# KiCad board srvant.kicad_pcb (continued)
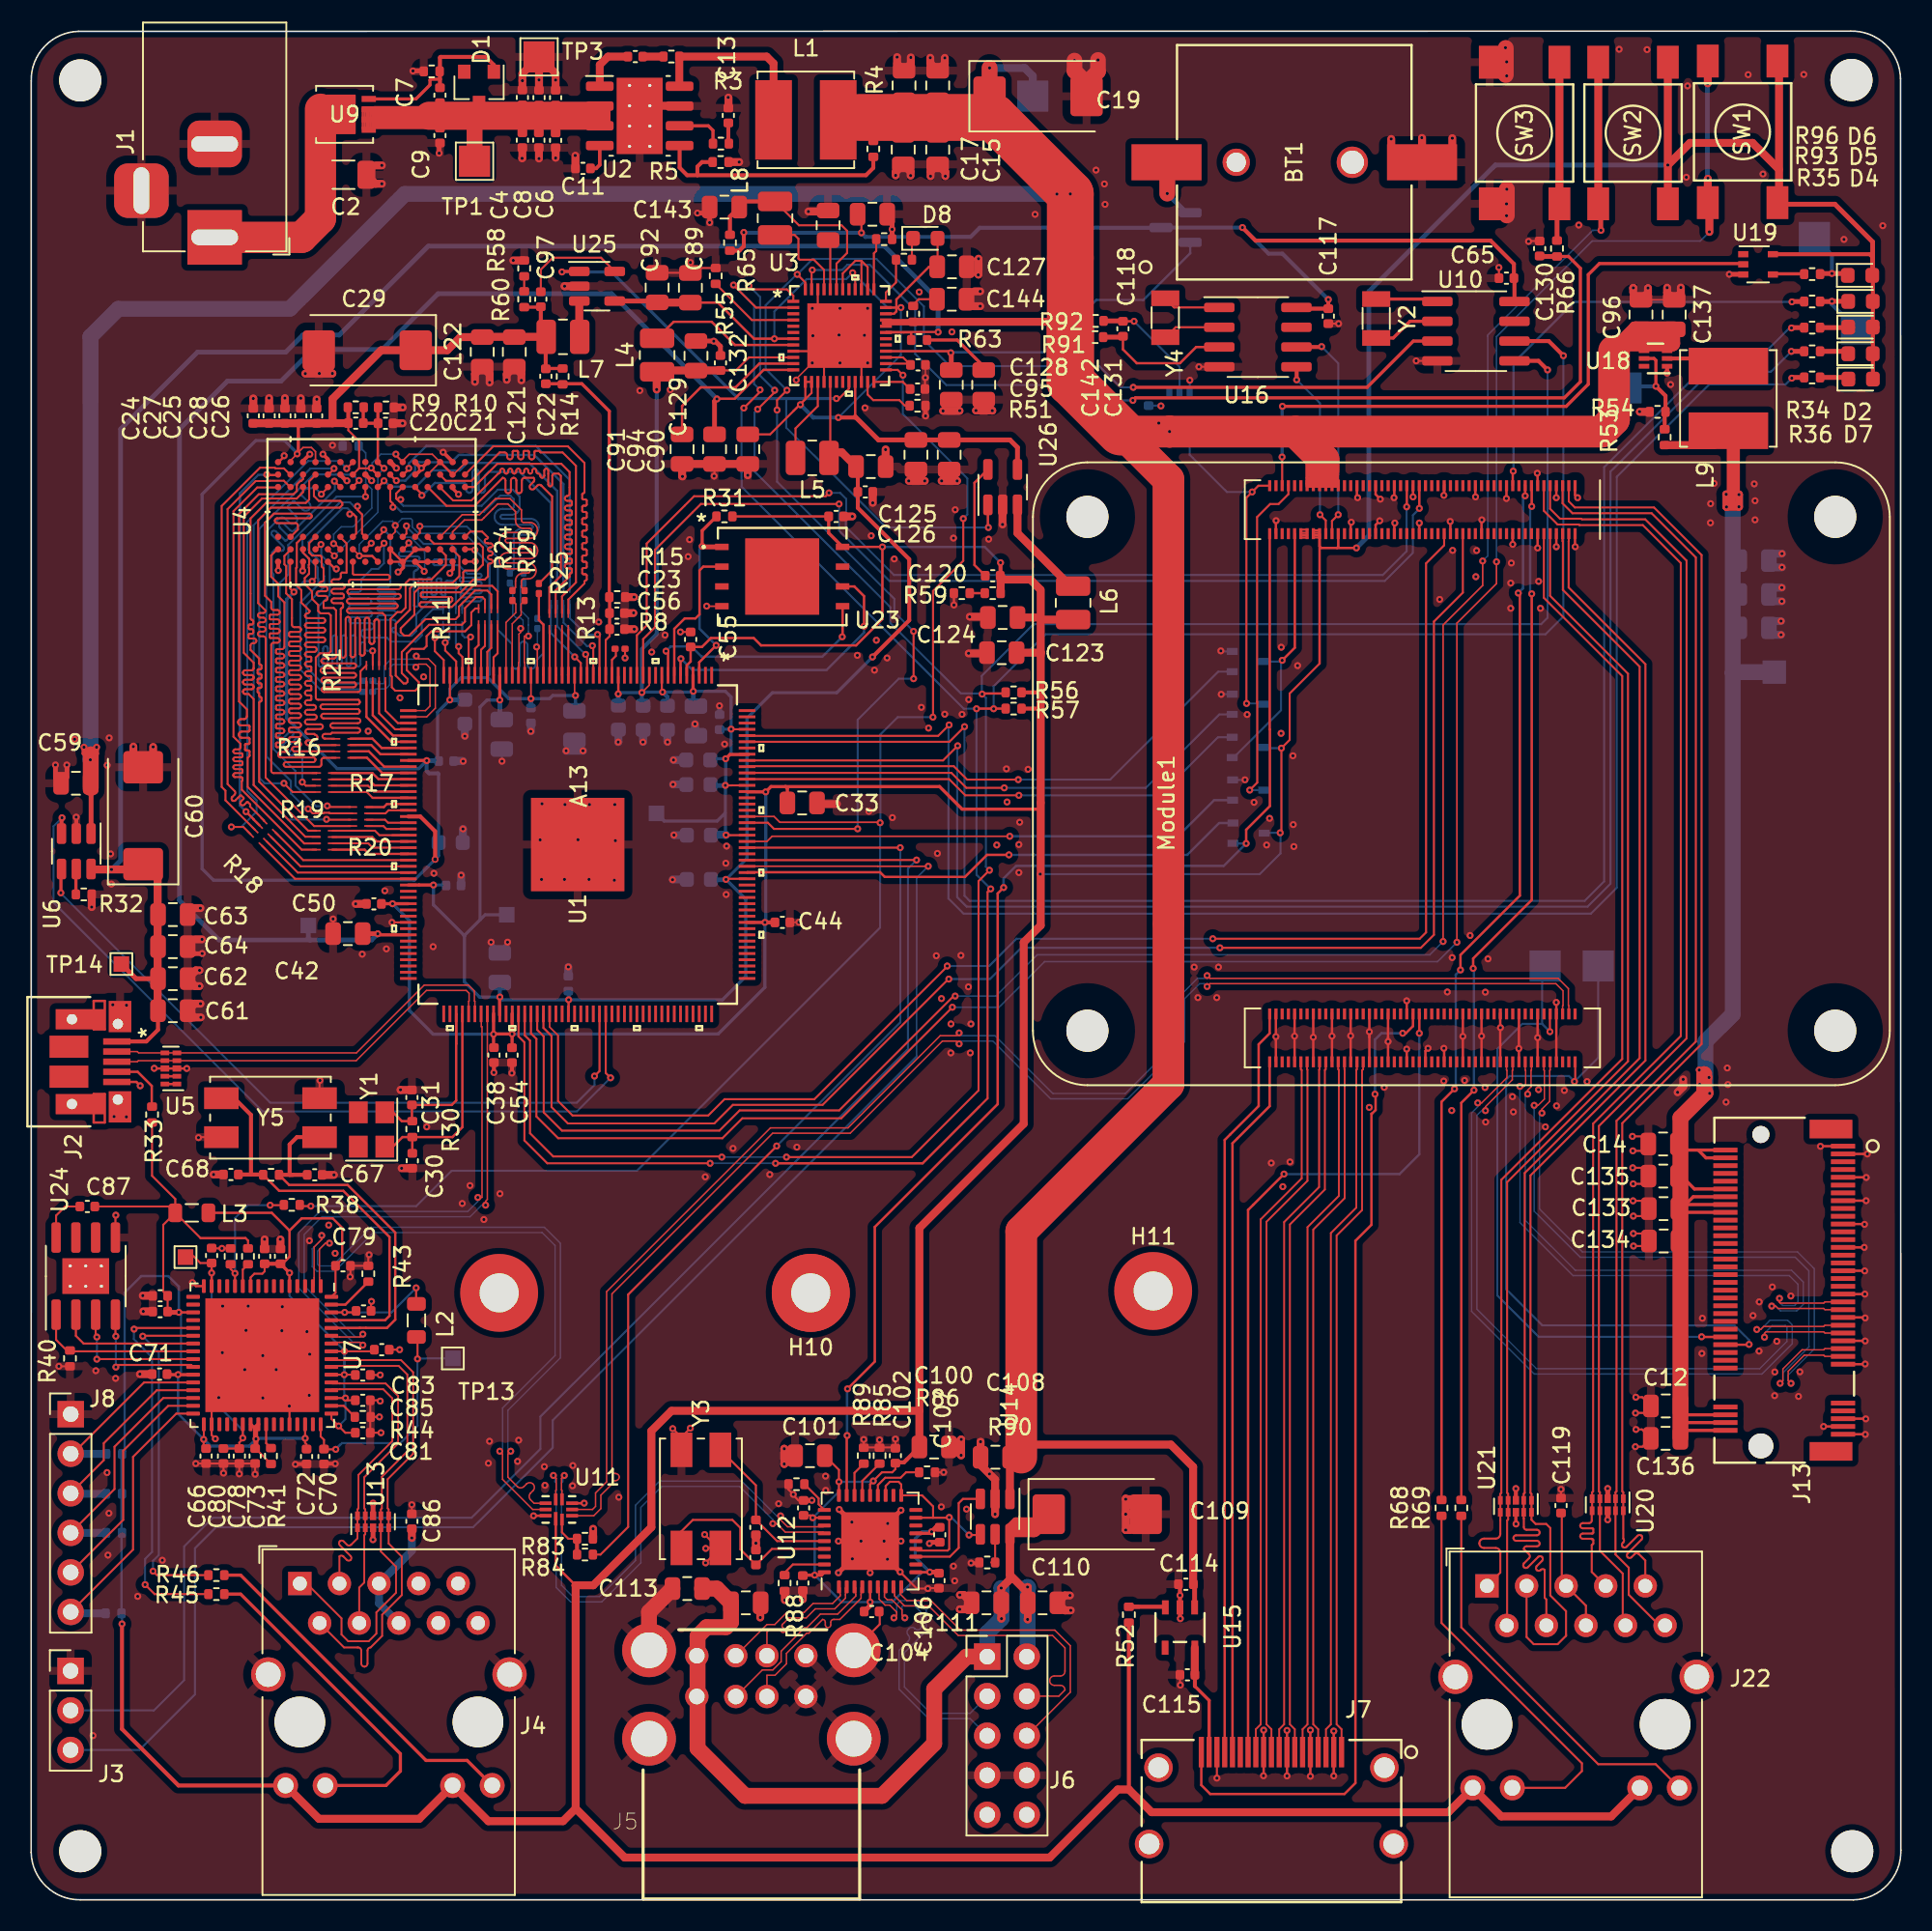
[diagram p0: board, top side]
## Routing (per net, layer and track width the routed paths; a pad name or vN(x,y) marks a point on that pad's centre or on a via; arc(x,y) is an arc through that point) (continued)
/a13 usb/ethernet/NLNKA_LED: length 25.2
  Top w0.13: v1(6.6,36.65) 6.68,36.73 U7.21 ; v1(7.32,20.24) 7.92,19.63 R45.2
  Bottom w0.13: v1(6.6,36.65) 6.59,36.64 6.59,36.01 7.76,34.84 7.76,22.34 7.32,21.89 v1(7.32,20.24)
/a13 usb/ethernet/NSPD_LED: length 22.6
  Top w0.13: v1(7.82,21.11) 8.08,20.85 R46.2 ; v1(7.16,36.2) 7.19,36.23 U7.22
  Bottom w0.13: v1(7.82,21.11) 7.82,21.77 8.19,22.14 8.19,35.17 v1(7.16,36.2)
/a13 usb/ethernet/nTRST: length 12
  Top w0.127: U7.28 7.25,33.23 2.67,28.65 J8.2
  Bottom w0.152: 2.55,28.64 J8.2
  Bottom w0.508: R47.1 2.55,28.64
/a13 usb/ethernet/PIN40/TEST3: length 3
  Top w0.152: U7.63 20.17,38.23 R43.2
/a13 usb/ethernet/RX_N: length 20.3
  Top w0.117: J4.4 21.06,20.05 21.38,20.38 21.38,23.42 21.45,23.48 U13.2 U13.9 21.45,25.08 21.38,25.14 21.38,27.14 23.55,29.31 23.55,32.36 22.75,33.16 19.81,33.16 19.81,33.16 19.33,33.16 U7.53
/a13 usb/ethernet/RX_P: length 19.7
  Top w0.117: U7.52 19.33,32.79 19.81,32.79 19.81,32.79 22.6,32.79 23.18,32.21 23.18,29.46 21.01,27.29 21.01,25.14 20.95,25.08 U13.10 U13.1 20.95,23.22 20.53,22.8 arc(20.41,22.75) 20.28,22.8 20.06,23.02 arc(19.93,23.08) 19.81,23.02 arc(19.76,22.9) 19.81,22.78 20.51,22.08 arc(20.56,21.96) 20.51,21.83 arc(20.38,21.78) 20.26,21.83 20.03,22.06 arc(19.91,22.11) 19.79,22.06 J4.3
/a13 usb/ethernet/TCK: length 18.9
  Top w0.127: J8.6 6.54,22.49 6.54,28.45 9.32,31.23 U7.32
  Bottom w0.152: 2.63,18.4 J8.6
  Bottom w0.508: R50.1 2.63,18.4
/a13 usb/ethernet/TDI: length 15.3
  Top w0.127: U7.30 8.48,32.23 5.35,29.1 5.35,26.38 J8.4
  Bottom w0.508: R49.1 J8.4
/a13 usb/ethernet/TDO: length 14.9
  Top w0.127: U7.31 8.8,31.73 5.91,28.84 5.91,24.4 J8.5
/a13 usb/ethernet/TMS: length 13.5
  Top w0.127: J8.3 4.66,28.23 4.66,29.32 8.06,32.73 U7.29
  Bottom w0.152: 2.57,26.08 J8.3
  Bottom w0.508: R48.1 2.57,26.08
/a13 usb/ethernet/TX_N: length 31.2
  Top w0.117: J4.2 20.08,16.21 20.99,16.21 arc(21.13,16.15) 21.19,16.01 21.19,15.17 arc(21.25,15.03) 21.39,14.97 arc(21.53,15.03) 21.59,15.17 21.59,16.01 arc(21.65,16.15) 21.79,16.21 22.53,16.95 22.53,18.31 23.79,19.57 23.79,22.04 22.95,22.88 U13.5 U13.6 22.95,25.08 22.88,25.14 22.88,27.01 24.52,28.65 24.52,33.88 23.74,34.66 19.81,34.66 19.81,34.66 19.33,34.66 U7.56
/a13 usb/ethernet/TX_P: length 30.7
  Top w0.117: U7.55 19.33,34.29 19.81,34.29 19.81,34.29 23.59,34.29 24.15,33.73 24.15,28.8 22.51,27.17 22.51,25.14 22.45,25.08 U13.7 U13.4 22.45,22.37 23.42,21.4 23.42,19.72 22.16,18.46 22.16,17.1 21.67,16.61 20.35,16.61 19.92,17.04 19.92,18.08 17.68,20.32 J4.1
/a13 usb/ethernet/USB2_N: length 42.9
  Top w0.09: U11.8 32.28,25.47 32.05,25.69 arc(31.97,25.91) 32.05,26.12 32.21,26.28 arc(32.3,26.49) 32.21,26.7 arc(32,26.79) 31.79,26.7 31.63,26.54 arc(31.42,26.45) 31.21,26.54 30.6,27.15 30.6,28.63 v1(30.78,28.81) ; U7.1 18.51,39.49 18.51,39.94 18.51,39.95 18.51,41.78 18.89,42.17 v1(19.15,42.17)
  Bottom w0.09: v1(30.78,28.81) 30.6,28.99 30.6,31.44 33.97,34.81 33.97,42.16 32.94,43.19 21.82,43.19 19.33,40.71 18.49,40.71 18.38,40.81 18.38,41.66 18.89,42.17 v1(19.15,42.17)
/a13 usb/ethernet/USB2_P: length 42.9
  Top w0.09: v1(18.65,42.67) 18.65,42.41 18.16,41.93 18.16,39.95 18.16,39.94 18.16,39.49 U7.2 ; U11.9 32.19,25.07 30.26,27.01 30.26,28.63 v1(30.08,28.81)
  Bottom w0.09: v1(18.65,42.67) 18.65,42.41 18.04,41.8 18.04,40.67 18.34,40.37 19.48,40.37 21.96,42.85 32.8,42.85 33.63,42.02 33.63,34.95 30.26,31.58 30.26,28.99 v1(30.08,28.81)
/a13 usb/ethernet/XI: length 26.4
  Top w0.152: U7.61 22.72,37.23 23,37.51 23,42.57 20.04,45.53 15.92,45.53 14.87,46.58
  Top w0.254: 14.11,46.58 14.11,50.41 13.04,51.48 Y5.3 ; 14.11,46.58 14.87,46.58 ; 14.11,46.58 C68.2
/a13 usb/ethernet/XO: length 25
  Top w0.152: R37.2 16.56,45.91 20.31,45.91 23.37,42.85 23.37,37.26 22.84,36.73 21.49,36.73 21.48,36.73 21.09,36.73 21.09,36.73 U7.60
  Top w0.254: 16.59,46.56 C67.2 ; 16.59,46.56 16.81,46.56 ; 16.59,46.56 R37.2 ; 16.59,46.56 16.59,48.51 17.06,48.98 Y5.1
/BMC PMU/+BATT: length 72.9
  Top w0.13: U3.39 53.29,105.26 ; 53.29,105.26 53.69,104.86 U3.38 ; 53.29,105.26 52.9,105.26 52.09,104.45 U3.42 ; v1(53.29,107.05) 53.29,108 C141.2 ; 81.17,102.28 81.2,102.28 U16.8 ; 95.21,104.1 C65.2
  Top w0.203: 81.29,102.18 81.2,102.28
  Top w0.254: U10.8 95.21,104.1 ; v1(45.74,107.08) 45.74,106.19 45.46,105.91 R65.2 ; v1(77.75,107.39) 78.59,106.55 93.68,106.55 95.17,105.05 C65.2 ; 81.29,102.18 C117.1 v1(83.26,102.77)
  Bottom w0.13: 45.77,107.05 v1(45.74,107.08) ; 72.51,107.38 D3.3
  Bottom w0.254: D3.3 v1(77.75,107.39) 79.43,105.71 80.31,105.71 v1(83.26,102.77) ; 72.51,107.38 60.89,107.38 60.3,106.79 53.56,106.79 v1(53.29,107.05) 45.77,107.05
/BMC PMU/CHGLED: length 2.9
  Top w0.13: U3.36 54.86,103.22 55.51,103.87 R64.1
/BMC PMU/EXTEN: length 43
  Top w0.13: 33.95,104.57 33.98,104.54 v1(34.07,104.54) ; U3.20 52.49,97.05 51.86,96.41 v1(51.69,96.41)
  Top w0.152: v1(61.44,88.13) 61.41,88.16 U26.1
  Top w0.203: 33.95,104.57 U25.1
  Bottom w0.13: 33.98,104.54 33.98,104.54 v1(34.07,104.54) ; 48.47,96.41 48.47,94.54 54.88,88.13 v1(61.44,88.13)
  Bottom w0.203: 33.98,104.54 37.26,104.54 45.39,96.41 v1(51.69,96.41)
/BMC PMU/IPSOUT: length 69.5
  Top w0.13: 48.94,95.62 47.43,94.11 C90.1 ; 48.94,95.62 49.38,96.05 ; 48.94,95.62 50.09,96.77 U3.14 U3.13 49.69,96.37 49.38,96.05 ; 49.38,96.05 v1(49.38,96.02) ; 40.2,102.57 C92.1 ; U3.40 52.89,104.32 v1(52.73,104.49) ; 52.9,95.25 52.9,95.32 52.89,95.33 ; 47.62,100.25 47.79,100.25 v1(47.71,100.25) ; D8.2 58.18,104.9 C127.2 ; 37.54,102.59 U25.4
  Top w0.147: 55.54,102.25 55.54,102.01 55.38,101.85 U3.34 ; 55.54,102.25 U3.35 ; 55.54,102.25 55.54,102.78 57.63,104.87 C127.2 ; 55.54,102.25 v1(55.83,102.25)
  Top w0.152: 44.12,102.53 46.4,100.25 v1(47.71,100.25) ; U3.7 47.79,100.25 ; 44.08,102.57 C89.2 ; U3.21 52.89,95.25
  Top w0.254: v1(51.81,95.19) 52.85,95.19 52.9,95.25
  Top w0.305: 52.89,95.25 54.38,93.75 C88.1 C93.1 62.83,93.75 63.31,93.27 U26.4 ; 37.54,102.59 37.63,102.67 40.1,102.67 C92.1
  Top w0.508: C89.2 40.2,102.57
  Bottom w0.13: v1(51.81,95.19) 55.83,99.2 v1(55.83,102.25) 54.96,102.25 v1(52.73,104.49) 52.32,104.08 49.78,104.08 47.71,102.01 v1(47.71,100.25)
  Bottom w0.254: v1(51.81,95.19) 50.2,95.19 v1(49.38,96.02)
/BMC PMU/NMI_N: length 99.1
  Top w0.127: v1(56.64,81.46) v1(56.64,78.42)
  Top w0.13: v1(47.88,95.67) 47.88,96.31 v1(48.51,96.94) ; U1.158 47.28,69.17 47.68,68.78 53.05,68.78 v1(53.05,68.78) ; U3.48 49.69,103.87 v1(49.17,104.39)
  Top w0.203: U10.3 88.72,100.1 85.75,97.13 v1(70.74,97.13)
  Bottom w0.13: v1(56.64,78.42) 55.69,78.42 53.05,75.78 v1(53.05,68.78) ; v1(47.88,95.67) 47.88,91.07 55.41,83.54 55.41,82.69 56.72,81.38 v1(56.64,81.46) ; v1(48.51,96.94) 47.14,98.32 47.14,102.39 49.14,104.39 v1(49.17,104.39) 50.17,105.38 54.25,105.38 57.3,102.33 57.3,100.17 58.98,98.49 68.56,98.49 69.92,97.13 v1(70.74,97.13)
/BMC PMU/PWRON: length 66.7
  Top w0.13: 96.85,105.54 C130.1 ; U3.47 50.09,104.62 v1(50.14,104.67)
  Top w0.203: R66.1 98.68,105.54 99.44,104.78 99.44,97.49 98.41,96.46 70.88,96.46 v1(70.71,96.29)
  Top w0.305: R66.1 96.85,105.54
  Bottom w0.13: v1(50.14,104.67) 52.06,104.67 52.39,105 53.83,105 56.74,102.09 56.74,99.28 58.75,97.27 68.31,97.27 69.29,96.29 v1(70.71,96.29)
/BMC PMU/TWI0-SCK: length 167.5
  Top w0.127: v1(43.58,47.3) 33.13,47.3 31.66,48.77 31.66,55.07
  Top w0.13: v1(45.74,95.8) 46.78,96.84 v1(46.78,96.97) ; U1.101 31.28,55.45 31.66,55.07 ; 60.84,50.92 61.39,51.47 61.39,64.72 v1(61.59,64.92) ; v1(60.68,76.49) 60.69,76.5 ; v1(45.08,103.7) 46.53,102.25 U3.2
  Top w0.147: 60.84,50.92 57.22,47.3 v1(47.78,47.3)
  Top w0.152: 60.69,76.5 R57.1
  Top w0.254: v1(98.35,99.16) 97.41,100.1 U10.6
  Bottom w0.102: v1(43.58,47.3) v1(47.78,47.3)
  Bottom w0.13: v1(61.59,64.92) 60.68,65.83 v1(60.68,76.49) 59.86,76.49 45.6,90.75 45.6,91.67 45.61,91.67 45.6,91.68 45.6,95.66 v1(45.74,95.8) ; v1(46.78,96.97) 46.4,97.35 46.4,102.38 v1(45.08,103.7) ; 63.25,79.41 61.78,77.94 v1(61.78,76.49) ; 63.25,79.41 63.19,79.35 ; 63.25,79.41 65.11,81.27 97.2,81.27 98.35,82.42 v1(98.35,99.16)
/BMC PMU/TWIO-SDA: length 161.6
  Top w0.127: v1(44.33,47.7) 44.29,47.74 33.51,47.74 32.02,49.23 32.02,55.18 ; 60.81,60.08 60.81,63.66 ; 60.81,60.08 60.81,51.98 56.53,47.7 v1(48.48,47.7) ; 60.81,60.08 60.81,60.16
  Top w0.13: v1(46.07,103.65) 46.3,103.42 48.51,103.42 48.92,103.01 U3.1 ; 32.02,55.18 31.68,55.52 U1.102 ; v1(61.51,66.12) 60.81,65.42 60.81,63.66 ; v1(46.63,95.72) 47.72,96.82 v1(47.72,96.94) ; 62.48,77.47 R56.2
  Top w0.152: 62.48,77.47 61.08,77.47 v1(61.04,77.43)
  Top w0.254: U10.5 96.75,98.83 v1(97.33,98.25)
  Bottom w0.102: v1(44.33,47.7) v1(48.48,47.7)
  Bottom w0.13: v1(61.04,77.43) 61.28,77.19 61.28,66.35 v1(61.51,66.12) ; v1(61.04,77.43) 61,77.47 59.68,77.47 55.15,82 55.15,83.01 46.44,91.72 46.44,95.53 v1(46.63,95.72) ; v1(61.04,77.43) 61.02,77.45 61.02,78.6 64.34,81.92 96.92,81.92 97.33,82.33 v1(97.33,98.25) ; v1(47.72,96.94) 46.78,97.88 46.78,102.94 v1(46.07,103.65)
/BMC power/SPI0_CLK: length 18.1
  Top w0.152: U1.6 41.68,79.68 v1(41.71,79.7) ; U23.6 52.83,84.35 53.46,83.72 v1(53.46,81.79)
  Bottom w0.152: v1(53.46,81.79) 53.46,81.38 51.06,78.98 42.43,78.98 v1(41.71,79.7)
/BMC power/SPI0_CSO: length 12.8
  Top w0.152: U1.3 42.88,79.47 v1(43.97,80.56)
  Top w0.203: R31.1 43.07,87.92 v1(43.07,86.92)
  Top w0.305: v1(43.07,86.92) 43.1,86.89 U23.1
  Bottom w0.152: v1(43.97,80.56) 42.9,81.63 42.9,86.75 v1(43.07,86.92)
/BMC power/SPI0_MISO: length 9.3
  Top w0.13: 42.6,82.29 42.64,82.29 ; U1.7 41.28,78.64
  Top w0.147: 42.6,82.29 41.95,82.29 41.28,81.62 41.28,78.64 ; 42.64,82.29 42.9,82.55
  Top w0.152: 42.9,82.55 42.9,85.37 43.14,85.62 44.34,85.62
/BMC power/SPI0_MOSI: length 15.8
  Top w0.152: v1(52.06,81.11) 52.08,81.13 52.08,83.08 ; v1(40.75,80.19) 40.88,80.06 U1.8
  Bottom w0.152: v1(40.75,80.19) 41.05,80.49 42.38,80.49 43.04,79.83 50.78,79.83 v1(52.06,81.11)
/BMC power/SVREF: length 21.9
  Top w0.13: U1.18 36.88,80.9 37.13,81.15 C56.2 ; 37.13,83.64 R15.1 37.1,83.65
  Top w0.203: C22.2 35.35,97.36 37.11,95.6 R15.1 ; C56.2 37.13,83.64
/BMC power/USB0_DRV: length 53.2
  Top w0.102: 1.93,69.49 v1(1.98,69.49)
  Top w0.13: U1.115 36.88,53.1 v1(37.19,52.79)
  Top w0.254: 1.93,69.49 1.95,69.47 U6.3
  Bottom w0.13: v1(1.98,69.49) 1.43,68.94 1.43,64.05 14.85,50.63 35.03,50.63 v1(37.19,52.79)
/BMC power/USB0_nFAULT: length 46.9
  Top w0.102: 1.95,64.71 v1(1.91,64.67)
  Top w0.13: v1(36.16,52.9) 36.48,53.22 U1.114
  Top w0.152: U6.4 1.94,66.19 1.93,66.19 ; 1.91,64.59 1.91,64.67 1.95,64.71
  Top w0.203: 1.91,64.59 1.91,66.17 1.93,66.19
  Bottom w0.13: v1(36.16,52.9) 36.16,52.33 35.02,51.19 15.35,51.19 1.91,64.63 v1(1.91,64.67)
/BMC power/USB_IDDET: length 3.9
  Top w0.152: 7.74,50.97 7.74,52.27 6.84,53.17 J2.4
/BMC power/USB_OTG_N: length 26.4
  Top w0.09: J2.2 6.81,54.47 6.9,54.39 U5.6 U5.5 20.88,54.39 25.23,58.74 28.07,58.74 28.45,58.36 28.45,57.73 28.48,57.7 U1.94
/BMC power/USB_OTG_P: length 25.9
  Top w0.09: J2.3 6.81,53.82 6.88,53.89 U5.7 U5.4 20.86,53.89 25.37,58.4 27.93,58.4 28.11,58.22 28.11,57.73 28.08,57.7 U1.93
/cm4/CM4_GPIO ( Ethernet, GPIO, SDCARD)/ETH_LEDG: length 67.5
  Top w0.152: v1(91.74,59.72) 91.74,60.68 95.55,64.49 95.55,83.82 v1(95.45,83.92) ; v1(95.9,90.16) 95.9,90.86 ; R68.2 90.53,51.25 v1(91.36,52.08)
  Bottom w0.152: v1(91.36,52.08) 91.44,52.16 91.44,59.41 v1(91.74,59.72) ; v1(95.45,83.92) 95.76,84.23 95.76,90.03 v1(95.9,90.16)
/cm4/CM4_GPIO ( Ethernet, GPIO, SDCARD)/ETH_LEDY: length 67.2
  Top w0.152: v1(92.56,59.82) 92.56,60.45 96.32,64.21 v1(96.32,83.87) ; 96.3,90.86 96.32,90.84 v1(96.32,89.48) ; R69.2 91.8,51.18 v1(92.61,51.99)
  Bottom w0.152: v1(92.61,51.99) 92.61,59.77 v1(92.56,59.82) ; v1(96.32,83.87) 96.22,83.97 96.22,89.38 v1(96.32,89.48)
/cm4/CM4_GPIO ( Ethernet, GPIO, SDCARD)/nPWR_LED: length 42.6
  Top w0.13: 80.3,90.86 80.3,90.87 80.3,92.65 v1(80.29,92.66) ; 109.84,105.08 U19.2
  Top w0.203: 109.84,105.08 100.66,105.08 99.95,104.37 99.95,97.33 98.53,95.91 v1(80.31,95.91)
  Bottom w0.13: 80.29,95.89 v1(80.31,95.91)
  Bottom w0.203: v1(80.29,92.66) 80.29,95.89
/cm4/CM4_GPIO ( Ethernet, GPIO, SDCARD)/SCL0: length 14.4
  Top w0.13: 83.5,87.78 83.5,88.55 v1(83.9,88.95) ; v1(82.83,99.75) 82.87,99.79 82.92,99.79
  Top w0.203: 82.92,99.79 82.85,99.72
  Top w0.254: 82.85,99.72 U16.6
  Bottom w0.13: v1(82.83,99.75) 83.9,98.68 v1(83.9,88.95)
/cm4/CM4_GPIO ( Ethernet, GPIO, SDCARD)/SDA0: length 11.4
  Top w0.13: 81.23,98.44 U16.5 ; v1(82.73,88.95) 83.1,88.58 83.1,87.78
  Top w0.254: v1(81.23,97.61) 81.23,98.44
  Bottom w0.13: v1(81.23,97.61) 82.73,96.11 v1(82.73,88.95)
/cm4/CM4_GPIO ( Ethernet, GPIO, SDCARD)/TRD0_N: length 75.8
  Top w0.127: U21.7 94.8,24.42 94.74,24.36 94.74,17.64 94.72,17.62 94.8,17.71 ; U21.7 94.76,24.93 94.76,25.08 ; U21.7 U21.4 94.8,26.07 94.74,26.14 94.74,46.09 102.5,53.85 102.5,78.74 97.5,83.74 97.5,87.78
/cm4/CM4_GPIO ( Ethernet, GPIO, SDCARD)/TRD0_P: length 76.1
  Top w0.127: 97.1,87.78 97.1,83.62 102.13,78.59 102.13,54 94.37,46.24 94.37,26.14 94.3,26.07 U21.5 U21.6 94.3,24.37 ; 93,19.71 J22.1 94.3,21.02 94.3,22.3 arc(94.21,22.51) 94,22.6 93.26,22.6 arc(93.04,22.69) 92.96,22.9 arc(93.04,23.11) 93.26,23.2 94,23.2 arc(94.21,23.29) 94.3,23.5 94.3,24.37
/cm4/CM4_GPIO ( Ethernet, GPIO, SDCARD)/TRD1_N: length 83.4
  Top w0.127: 98.3,87.78 98.3,87.26 98.32,87.24 98.32,84.12 103.24,79.2 103.24,54.05 95.87,46.67 95.87,26.14 95.8,26.07 U21.2 U21.9 95.8,24.5 95.81,24.49 95.81,23.94 arc(95.86,23.82) 95.99,23.77 96.65,23.77 arc(96.77,23.71) 96.83,23.59 arc(96.77,23.46) 96.65,23.41 95.32,23.41 arc(95.19,23.36) 95.14,23.24 arc(95.19,23.11) 95.32,23.06 96.65,23.06 arc(96.77,23.01) 96.83,22.88 arc(96.77,22.76) 96.65,22.71 95.99,22.71 arc(95.86,22.65) 95.81,22.53 96.15,22.19 arc(96.2,22.07) 96.15,21.94 95.82,21.61 arc(95.77,21.49) 95.82,21.36 arc(95.95,21.31) 96.07,21.36 96.73,22.02 arc(96.85,22.07) 96.98,22.02 arc(97.03,21.9) 96.98,21.77 96.64,21.43 arc(96.59,21.31) 96.64,21.18 arc(96.76,21.13) 96.89,21.18 96.9,21.19 arc(97.02,21.24) 97.15,21.19 97.15,19.4 97.26,19.29 J22.4 97.22,17.66
/cm4/CM4_GPIO ( Ethernet, GPIO, SDCARD)/TRD1_P: length 83.6
  Top w0.127: 98.52,16.96 98.52,17.05 ; 98.52,16.96 97.98,16.42 96.44,16.42 95.99,16.88 J22.3 ; 98.52,16.96 98.52,18.54 97.51,19.55 97.51,23.88 97.25,24.14 96.57,24.14 96.3,24.41 U21.10 U21.1 96.3,26.07 96.24,26.14 96.24,46.52 103.61,53.9 103.61,79.35 98.69,84.28 98.69,87.25 98.7,87.26 98.7,87.78
/cm4/CM4_GPIO ( Ethernet, GPIO, SDCARD)/TRD2_N: length 83.1
  Top w0.127: J22.8 102.16,17.8 102.16,20.95 100.69,22.42 U20.7 U20.4 100.69,26.17 100.63,26.24 100.63,49.69 106.26,55.32 106.26,86 103.6,88.65 99.54,88.65 99.5,88.69 98.13,88.69 97.5,89.33 97.5,90.86
/cm4/CM4_GPIO ( Ethernet, GPIO, SDCARD)/TRD2_P: length 83.2
  Top w0.127: 97.1,90.86 97.1,89.21 97.98,88.32 99.35,88.32 99.38,88.29 99.38,88.28 103.45,88.28 105.89,85.85 105.89,55.47 100.26,49.85 100.26,26.24 100.19,26.17 U20.5 U20.6 100.17,24.97 100.17,24.36 arc(100.12,24.24) 100,24.19 99.6,24.19 arc(99.48,24.14) 99.43,24.03 arc(99.48,23.91) 99.6,23.86 100.22,23.86 arc(100.25,23.84) 100.27,23.81 100.27,23.57 arc(100.25,23.54) 100.22,23.52 99.6,23.52 arc(99.48,23.48) 99.43,23.36 arc(99.48,23.24) 99.6,23.19 100.17,23.19 100.17,23.16 100.22,23.16 arc(100.25,23.15) 100.27,23.11 100.27,22.88 arc(100.25,22.84) 100.22,22.83 arc(100.18,22.82) 100.17,22.78 100.17,21.06 J22.7
/cm4/CM4_GPIO ( Ethernet, GPIO, SDCARD)/TRD3_N: length 83.5
  Top w0.127: 98.3,90.86 98.3,89.68 98.93,89.05 104.01,89.05 106.85,86.21 106.85,55.12 101.76,50.03 101.76,26.24 101.69,26.17 U20.2 U20.9 101.69,22.18 102.55,21.33 102.55,19.59 104.52,17.62 J22.10 104.83,17.62
/cm4/CM4_GPIO ( Ethernet, GPIO, SDCARD)/TRD3_P: length 83.4
  Top w0.127: J22.9 103.61,21.79 103.18,22.22 arc(103.06,22.27) 102.94,22.22 102.72,22 arc(102.6,21.95) 102.47,22 arc(102.42,22.13) 102.47,22.25 103.36,23.14 arc(103.41,23.26) 103.36,23.39 arc(103.24,23.44) 103.12,23.39 102.4,22.67 arc(102.28,22.62) 102.16,22.67 arc(102.1,22.8) 102.16,22.92 102.19,22.96 arc(102.24,23.08) 102.19,23.21 U20.10 U20.1 102.19,26.17 102.13,26.24 102.13,49.87 107.22,54.97 107.22,86.36 104.17,89.42 99.09,89.42 98.7,89.81 98.7,90.86
/cm4/CM4_HighSpeed/HDMI0_CEC: length 56.4
  Top w0.152: v1(89.1,55.65) 89.1,56.94 89.1,56.94 ; v1(80.42,46.61) 78.11,44.3 J7.13
  Bottom w0.152: v1(89.1,55.65) 89.1,47.88 87.83,46.61 v1(80.42,46.61)
/cm4/CM4_HighSpeed/HDMI0_CK_N: length 45.6
  Top w0.117: J7.12 78.61,10.96 78.92,11.27 78.92,43.7 81.55,46.33 81.55,53.28 81.5,53.34 81.5,53.86
/cm4/CM4_HighSpeed/HDMI0_CK_P: length 45.6
  Top w0.117: 81.9,53.86 81.9,53.34 81.92,53.31 81.92,46.18 79.29,43.55 79.29,11.27 79.61,10.96 J7.10
/cm4/CM4_HighSpeed/HDMI0_D0_N: length 45.4
  Top w0.117: J7.9 80.11,10.96 80.42,11.27 80.42,43.53 82.67,45.77 82.67,53.31 82.7,53.34 82.7,53.86
/cm4/CM4_HighSpeed/HDMI0_D0_P: length 45.5
  Top w0.117: J7.7 81.11,10.96 80.79,11.27 80.79,43.37 83.04,45.62 83.04,53.28 83.1,53.34 83.1,53.86
/cm4/CM4_HighSpeed/HDMI0_D1_N: length 45.4
  Top w0.117: 83.9,53.86 83.9,53.34 83.94,53.3 83.94,45.21 81.92,43.2 81.92,11.27 81.61,10.96 J7.6
/cm4/CM4_HighSpeed/HDMI0_D1_P: length 45.3
  Top w0.117: J7.4 82.61,10.96 82.29,11.27 82.29,43.04 84.31,45.06 84.31,53.33 84.3,53.34 84.3,53.86
/cm4/CM4_HighSpeed/HDMI0_D2_N: length 45.2
  Top w0.117: 85.1,53.86 85.1,53.34 85.06,53.3 85.06,44.45 83.42,42.82 83.42,11.27 83.11,10.96 J7.3
/cm4/CM4_HighSpeed/HDMI0_D2_P: length 45.2
  Top w0.117: J7.1 84.11,10.96 83.79,11.27 83.79,42.66 85.43,44.3 85.43,53.27 85.5,53.34 85.5,53.86
/cm4/CM4_HighSpeed/HDMI0_HOTPLUG: length 64.5
  Top w0.152: v1(88.04,55.65) 88.24,55.65 88.7,56.11 88.7,56.94 ; J7.19 75.11,7.37 75.68,6.8 84.3,6.8 85,7.5 85,42.32 86.03,43.35 86.03,50.48 86.06,50.48 86.3,50.72 86.3,51.7 v1(86.26,51.74) 86.23,51.71
  Bottom w0.152: v1(88.04,55.65) 86.66,55.65 86.26,55.25 v1(86.26,51.74)
/cm4/CM4_HighSpeed/HDMI0_SCL: length 45.4
  Top w0.152: J7.15 77.11,48.59 79.5,50.97 79.5,53.86
/cm4/CM4_HighSpeed/HDMI0_SDA: length 48.7
  Top w0.152: 79.5,56.94 79.5,55.65 78.79,54.94 78.79,50.98 76.61,48.8 J7.16
/cm4/CM4_HighSpeed/HDMI_5v: length 7.1
  Top w0.203: 74.7,13.72 75.61,12.81 J7.18
  Top w0.254: C115.1 74.7,13.72
  Top w0.508: U15.5 74.69,14.46 C115.1
/cm4/CM4_HighSpeed/nRTC_INT: length 9.1
  Top w0.152: C118.2 70.08,99.57 70.97,98.68 73.74,98.68 74.78,99.72 U16.3
  Top w0.305: 68.84,100.36 70.1,100.36
/cm4/CM4_HighSpeed/PCIE_CLK_N: length 42.6
  Top w0.09: v1(112.26,33.17) 112.44,33.35 112.44,34.09 113.67,35.32 115.06,35.32 115.14,35.4 J13.53 ; v1(96.48,51.02) 96.73,51.02 97.13,51.42 97.13,53.26 97.1,53.29 Module1.112
  Bottom w0.09: v1(96.48,51.02) 96.48,50.77 96.47,50.77 96.47,50.29 96.48,50.29 96.48,44.22 99.43,41.27 113.23,41.27 114.11,40.39 114.11,35.51 112.44,33.84 112.44,33.35 v1(112.26,33.17)
/cm4/CM4_HighSpeed/PCIE_CLK_P: length 41.9
  Top w0.09: J13.55 115.14,34.9 115.06,34.98 113.81,34.98 112.78,33.95 112.78,33.35 v1(112.96,33.17) ; v1(96.97,50.53) 96.97,50.78 97.47,51.28 97.47,53.26 97.5,53.29 Module1.110
  Bottom w0.09: v1(96.97,50.53) 96.82,50.38 96.82,44.36 99.57,41.61 113.37,41.61 114.45,40.53 114.45,35.37 112.78,33.7 112.78,33.35 v1(112.96,33.17)
/cm4/CM4_HighSpeed/PCIE_RX_N: length 37.3
  Top w0.09: Module1.118 95.9,53.29 95.93,53.26 95.93,52.36 95.81,52.24 v1(95.56,52.24) ; v1(112.22,38.63) 112.22,38.38 112.27,38.32 115.06,38.32 115.14,38.4 J13.41
  Bottom w0.09: v1(112.22,38.63) 112.22,38.38 112.42,38.17 113.2,38.17 113.41,38.38 113.41,39.53 112.85,40.09 98.97,40.09 95.56,43.5 95.56,51.51 95.56,51.51 95.56,51.99 95.56,51.99 v1(95.56,52.24)
/cm4/CM4_HighSpeed/PCIE_RX_P: length 38.3
  Top w0.09: Module1.116 96.3,53.29 96.27,53.26 96.27,52.21 96.06,52 v1(96.06,51.75) ; J13.43 115.14,37.9 115.06,37.98 112.13,37.98 111.97,38.13 v1(111.72,38.13)
  Bottom w0.09: v1(111.72,38.13) 111.97,38.13 112.28,37.83 113.34,37.83 113.75,38.24 113.75,39.67 112.99,40.43 99.11,40.43 95.9,43.64 95.9,51.59 v1(96.06,51.75)
/cm4/CM4_HighSpeed/PCIE_TX_N: length 49.7
  Top w0.09: Module1.124 94.7,53.29 94.73,53.26 94.73,52.8 93.1,51.18 v1(92.85,51.18) ; J13.47 115.14,36.9 115.06,36.82 111.21,36.82 111.01,36.63 v1(110.76,36.63)
  Bottom w0.09: v1(110.76,36.63) 111.01,36.63 111.61,37.22 112.74,37.22 113.04,36.92 113.04,35.72 111.09,33.77 96.48,33.77 92.46,37.79 92.46,50.53 92.85,50.93 v1(92.85,51.18)
/cm4/CM4_HighSpeed/PCIE_TX_P: length 47.4
  Top w0.09: Module1.122 95.1,53.29 95.07,53.26 95.07,52.66 93.35,50.93 v1(93.35,50.68) ; J13.49 115.14,36.4 115.06,36.48 111.35,36.48 111.26,36.38 v1(111.26,36.13)
  Bottom w0.09: v1(111.26,36.13) 111.26,36.38 111.75,36.88 112.6,36.88 112.7,36.78 112.7,35.86 110.95,34.11 96.62,34.11 92.8,37.93 92.8,50.39 93.09,50.68 v1(93.35,50.68)
/cm4/CM4_HighSpeed/USB2_N: length 92.6
  Top w0.09: v1(59.56,55.67) 59.38,55.49 58.35,55.49 52.43,49.57 47.45,49.57 36.94,39.06 36.94,26.84 36.23,26.13 36.23,25.27 36.03,25.07 U11.4 ; v1(75.48,59.35) 75.66,59.18 98.01,59.18 98.67,58.52 98.67,57.45 98.7,57.42 Module1.103
  Bottom w0.09: v1(59.56,55.67) 59.74,55.49 61.87,55.49 65.58,51.78 70.24,51.78 73.69,55.24 73.69,58.01 74.86,59.18 75.3,59.18 v1(75.48,59.35)
/cm4/CM4_HighSpeed/USB2_P: length 92.6
  Top w0.09: v1(75.48,58.65) 75.66,58.83 97.87,58.83 98.33,58.38 98.33,57.45 98.3,57.42 Module1.105 ; v1(59.56,54.97) 59.38,55.15 58.49,55.15 52.57,49.23 47.59,49.23 37.28,38.92 37.28,27.6 arc(37.35,27.44) 37.51,27.38 37.52,27.38 arc(37.68,27.31) 37.75,27.15 arc(37.68,26.99) 37.52,26.93 37.51,26.93 arc(37.35,26.86) 37.28,26.7 36.57,25.99 36.57,25.13 36.11,24.67 U11.3
  Bottom w0.09: v1(75.48,58.65) 75.3,58.83 75,58.83 74.03,57.87 74.03,55.1 70.38,51.44 65.44,51.44 61.73,55.15 59.74,55.15 v1(59.56,54.97)
/cm4/PCIe-connector/PCIe_nCLKREQ: length 46.3
  Top w0.13: 99.1,53.86 99.11,53.85 99.11,52.6 v1(99.06,52.55) ; 110.25,35.65 v1(110.27,35.67)
  Top w0.152: J13.52 110.25,35.65
  Bottom w0.13: v1(99.06,52.55) 100.58,54.08 TP9.1 ; v1(99.06,52.55) 98.7,52.91 94.9,52.91 94.67,52.68 94.67,39.22 97,36.89 109.33,36.89 110.27,35.95 v1(110.27,35.67) ; v1(99.06,52.55) 99.01,52.5
/cm4/PCIe-connector/PCIe_nRST: length 41.5
  Top w0.13: v1(97.49,55.75) 97.49,56.93 97.5,56.94 ; 107.23,36.15 v1(107.22,36.16)
  Top w0.152: J13.50 107.23,36.15
  Bottom w0.13: v1(107.22,36.16) 96.76,36.16 94.11,38.81 94.11,54.65 95.72,56.26 96.98,56.26 v1(97.49,55.75) 96.99,56.25 96.99,59.78 TP10.1
/cm4/USB2-HUB/HD1_N: length 8.9
  Top w0.09: U12.1 51.93,20.02 51.93,19.59 51.93,19.52 51.44,19.03 50.19,19.03 49.61,18.45 48.5,18.45 47.73,17.68 47.23,17.68 J5.2
/cm4/USB2-HUB/HD1_P: length 8.9
  Top w0.09: U12.2 52.27,20.02 52.27,19.59 52.27,19.38 51.58,18.69 50.33,18.69 49.75,18.11 48.64,18.11 48.22,17.69 arc(48.19,17.6) 48.22,17.52 48.36,17.38 arc(48.39,17.29) 48.36,17.21 arc(48.27,17.17) 48.18,17.21 48.05,17.34 arc(47.96,17.38) 47.87,17.34 47.37,17.34 47.23,17.19 J5.3
/cm4/USB2-HUB/HD2_N: length 11.4
  Top w0.09: J5.6 46.94,14.77 47.61,14.77 48.14,15.3 48.14,15.97 49.64,17.47 49.78,17.47 50.66,18.35 51.77,18.35 52.93,19.51 52.93,19.59 52.93,20.02 U12.3
/cm4/USB2-HUB/HD2_P: length 11.4
  Top w0.09: U12.4 53.27,20.02 53.27,19.59 53.27,19.37 51.91,18.01 51.5,18.01 arc(51.38,17.96) 51.33,17.83 51.33,17.66 arc(51.27,17.54) 51.15,17.48 arc(51.03,17.54) 50.98,17.66 50.98,17.83 arc(50.92,17.96) 50.8,18.01 49.92,17.13 49.78,17.13 48.48,15.83 48.48,15.16 47.75,14.42 47.23,14.42 J5.7
/cm4/USB2-HUB/HD3_N: length 17.9
  Top w0.09: U12.6 54.43,20.02 54.43,19.59 54.43,19.31 54.81,18.93 55.11,18.93 55.56,18.48 55.56,18.29 v1(55.38,18.11)
  Bottom w0.09: J6.3 60.27,11.98 57.74,11.98 56.05,13.67 56.05,15.88 57.45,17.28 57.45,18.62 56.85,19.22 55.81,19.22 55.56,18.97 55.56,18.29 v1(55.38,18.11)
/cm4/USB2-HUB/HD3_P: length 18
  Top w0.09: v1(56.08,18.11) 55.9,18.29 55.9,18.62 55.25,19.27 54.95,19.27 54.77,19.45 54.77,19.59 54.77,20.02 U12.7
  Bottom w0.09: J6.5 60.27,11.64 57.6,11.64 55.71,13.53 55.71,16.02 56.3,16.61 arc(56.38,16.81) 56.3,17 arc(56.22,17.19) 56.3,17.38 56.34,17.42 arc(56.53,17.5) 56.73,17.42 arc(56.92,17.34) 57.11,17.42 57.11,18.48 56.71,18.88 55.95,18.88 55.9,18.83 55.9,18.29 v1(56.08,18.11)
/cm4/USB2-HUB/HD4_N: length 19.7
  Top w0.09: J6.4 65.96,13.08 66.36,13.48 arc(66.27,13.69) 66.06,13.78 65.67,13.78 arc(65.46,13.87) 65.37,14.08 arc(65.46,14.29) 65.67,14.38 66.06,14.38 arc(66.27,14.47) 66.36,14.68 66.36,16.18 65.56,16.98 59.51,16.98 57.61,18.88 56.06,18.88 55.43,19.51 55.43,19.59 55.43,20.02 U12.8
/cm4/USB2-HUB/HD4_P: length 19.7
  Top w0.09: J6.6 66.7,13.34 66.7,16.32 65.7,17.32 59.65,17.32 57.75,19.22 56.2,19.22 55.77,19.65 55.77,20.02 U12.9
/cm4/USB2-HUB/nOCS1: length 14.5
  Top w0.13: U12.13 56.89,22.43 58.83,22.43 58.93,22.53 v1(58.93,24.56) ; 57.89,24.54 57.89,25.27 57.18,25.98 U12.19 55.85,26.68 55.68,26.85 55.12,26.85 54.85,26.58 U12.21 ; 57.89,24.54 U12.17 ; 57.89,24.54 58.9,24.54 v1(58.93,24.56) ; 58.91,24.56 v1(58.93,24.56) ; U14.4 60.88,23.43 v1(60.2,23.43)
  Bottom w0.13: v1(60.2,23.43) 59.07,24.56 v1(58.93,24.56)
/cm4/USB2-HUB/PWR1: length 7.4
  Top w0.13: U14.3 59.81,25.75 59.54,25.48 59.54,22.61 58.97,22.04 U12.12
/cm4/USB2-HUB/USBH_N: length 32.5
  Top w0.09: v1(34.22,27.25) 34.04,27.08 34.04,26.32 34.07,26.29 U11.6 ; v1(48.1,24.66) 48.1,24.4 48.55,23.96 50.83,23.96 U12.30
  Bottom w0.09: v1(48.1,24.66) 47.85,24.66 45.61,26.89 40.34,26.89 38.79,25.34 38.79,21.79 36.48,19.48 34.77,19.48 34.04,20.2 34.04,26.77 34.12,26.85 34.12,27.14 34.11,27.15 v1(34.22,27.25)
/cm4/USB2-HUB/USBH_P: length 33
  Top w0.09: v1(33.52,27.25) 33.7,27.08 33.7,26.32 33.67,26.29 U11.7 ; v1(47.61,24.16) 47.86,24.16 48.41,23.62 50.83,23.62 U12.31
  Bottom w0.09: v1(47.61,24.16) 47.61,24.41 45.47,26.55 40.48,26.55 39.14,25.2 39.14,21.65 36.62,19.13 34.63,19.13 33.7,20.06 33.7,26.77 33.62,26.85 33.62,27.14 33.63,27.15 v1(33.52,27.25)
/cm4/USB2-HUB/XTALIN: length 13
  Top w0.13: Y3.1 41.74,23.67 42.47,24.4 45.01,24.4 45.52,23.89 45.52,22.51 C98.1 47.55,22.54 U12.33
/cm4/USB2-HUB/XTALOUT: length 10.4
  Top w0.13: U12.32 47.88,23.04 C99.1 46.52,26.62 Y3.3
/nRESET: length 95.5
  Top w0.102: v1(54.49,69.17) 54.46,69.2 48.05,69.2 47.68,69.57 U1.159
  Top w0.13: U3.25 55.62,98.25 v1(55.96,97.91) ; v1(57.88,75.95) 57.89,75.96 57.89,84.05 59.83,85.99 v1(59.83,88.7) ; R38.2 17.32,44.55 v1(17.95,44.55)
  Bottom w0.13: v1(59.83,88.7) 60.09,88.96 60.09,91.28 55.96,95.42 v1(55.96,97.91) ; v1(17.95,44.55) 24.72,44.55 26.99,46.82 38.88,46.82 54.49,62.43 v1(54.49,69.17) 54.51,69.19 54.51,74.84 55.62,75.95 v1(57.88,75.95)
Net-(BT1-Pad1): length 4.3
  Top w0.13: v1(72.92,109.58) 72.88,109.62
  Top w0.305: 72.92,111.54 BT1.1
  Top w1.016: v1(72.92,109.58) 72.92,111.54
  Bottom w0.13: 74.44,108.31 74.46,108.29 74.46,108.15
  Bottom w0.203: 74.19,108.31 74.44,108.31
  Bottom w0.305: v1(72.92,109.58) 74.19,108.31
Net-(C2-Pad1): length 14.3
  Top w2: U9.6 18.57,107.97 17.36,106.76 J1.1
Net-(C7-Pad1): length 11.3
  Top w0.203: U9.4 24.7,115.65 25.6,116.55 25.6,116.86 25.66,116.92 26.24,116.92
  Top w0.254: C7.1 26.24,118.3 26.29,118.35 29.18,118.35 29.7,117.83 D1.2
Net-(C10-Pad1): length 1.3
  Top w0.5: C10.1 R2.2
Net-(C10-Pad2): length 3.4
  Top w0.5: U2.1 36.5,117.84 37.03,118.37 C10.2
Net-(C11-Pad1): length 1.9
  Top w0.23: C11.1 36.27,111.19 36.5,111.42 U2.4
Net-(C13-Pad1): length 1.6
  Top w0.25: 44.82,114.04 44.75,113.98 ; C13.1 44.75,112.82 R3.2 44.9,112.9 44.9,112.91
Net-(C20-Pad2): length 14
  Top w0.1: 22.32,94.64 22.32,94.77 C21.1 ; 19.46,86.38 v1(19.46,86.31) ; 19.48,86.29 19.05,86.72 U4.M8 ; U4.H1 22.25,92.31 ; 22.25,94.81 C21.1 ; C21.1 22.25,94.8
  Top w0.13: 21.33,94.82 C20.2 ; 22.26,95.83 R10.1 22.26,95.85 ; 21.32,95.82 R9.2
  Top w0.147: 22.25,92.31 22.65,91.91
  Top w0.152: 22.25,92.3 22.25,94.81
  Top w0.203: 22.26,95.83 22.26,94.82 21.33,94.82 ; C20.2 21.32,95.82
  Bottom w0.1: 22.65,91.91 22.26,91.52 22.26,89.11 v1(19.46,86.31)
  vias: v1(22.65,91.93)
Net-(C86-Pad1): length 7.4
  Top w0.508: v1(24.43,23.24) 24.43,23.73
  Bottom w0.508: v1(24.43,23.24) 24.43,22.42 J4.5 22.33,19.05 J4.6
Net-(C87-Pad1): length 3.2
  Top w0.13: C87.1 2.18,44.53 1.6,43.94 U24.8
Net-(C91-Pad1): length 10.1
  Top w0.152: U3.11 46.74,98.65 45.22,97.13 42.98,97.13 41.78,95.93 C91.1
Net-(C95-Pad1): length 2.5
  Top w0.13: U3.24 55.95,97.48 C95.1
Net-(C97-Pad1): length 6.9
  Top w0.13: C97.1 32.71,104.69 33.48,105.45 36.58,105.45 U25.5 37.44,104.59
Net-(C118-Pad1): length 7.9
  Top w0.13: 70.08,101.37 C118.1
  Top w0.152: v1(70.79,101.37) 70.08,101.37
  Top w0.305: 70.15,101.45 70.1,101.4 R92.1
  Bottom w0.13: v1(70.79,101.37) 73.71,98.45 U17.2
Net-(C119-Pad1): length 7.9
  Top w0.13: J22.6 99.8,18.89 J22.5 98.25,20.44 98.25,24.79 C119.1
Net-(C120-Pad1): length 7.5
  Top w0.152: C120.1 60.55,85.72 60.55,91 U26.5
Net-(C131-Pad2): length 4.6
  Top w0.203: R63.2 59.44,100.17 61.14,98.47 C131.2
Net-(C143-Pad2): length 13.9
  Top w0.13: U3.43 51.69,105.08 52.37,105.76 52.37,107.18 52.02,107.54 49.28,107.54 L8.2
  Top w0.254: L8.2 45.81,109.07 C143.2 44.85,108.11 R65.1
Net-(C144-Pad2): length 1.9
  Top w0.13: 58.31,102.64 58.16,102.79 56.97,102.79 56.62,102.44
Net-(C145-Pad2): length 3.2
  Top w0.13: U3.44 51.29,106.45 C145.2
Net-(D2-Pad1): length 2.2
  Top w0.127: 116.92,99.29 116.77,99.44
  Top w0.305: 116.77,99.44 R34.1
Net-(D4-Pad1): length 2.2
  Top w0.127: 116.92,100.97 116.97,101.02
  Top w0.305: R35.1 116.92,100.97
Net-(D5-Pad1): length 4
  Top w0.305: 115.08,102.64 115.57,102.64 v1(115.59,102.65) 116.63,102.65 116.64,102.64
  Bottom w0.254: TP5.1 115.59,102.45 v1(115.59,102.65)
Net-(D6-Pad1): length 4.8
  Top w0.13: 116.12,104.44 116.49,104.44
  Top w0.305: 116.49,104.44 114.87,104.44 R96.1
  Bottom w0.254: TP6.1 115.59,105.62 v1(115.59,104.44)
Net-(D7-Pad1): length 2.2
  Top w0.127: 115.31,97.77 115.32,97.76
  Top w0.305: R36.1 116.8,97.76 116.92,97.64
Net-(D8-Pad1): length 1.4
  Top w0.13: R64.2 56.53,106.62 D8.1
Net-(J4-Pad12): length 21.9
  Top w0.203: J4.12 22.78,7.35 23.7,8.27 23.7,9.38 13.45,19.63 R45.1
Net-(J4-Pad14): length 22.8
  Top w0.203: J4.14 27.98,8.95 25.35,8.95 13.45,20.85 R46.1
Net-(J22-Pad12): length 25
  Top w0.13: R68.1 90.53,17.78 99.54,8.77 99.54,8.27 98.46,7.19 J22.12
Net-(J22-Pad14): length 25.4
  Top w0.13: R69.1 91.8,17.5 100.58,8.71 104.27,8.71 J22.14
Net-(L1-Pad1): length 11.7
  Top w0.5: 41.6,116.48 R2.1 47.21,118.37 47.65,117.93 L1.1
Net-(L4-Pad2): length 9.8
  Top w0.152: U3.8 45.17,99.85 43.69,101.34 41.24,101.34 L4.2
Net-(L5-Pad2): length 5.5
  Top w0.13: U3.15 50.49,95.92 49.06,94.49 L5.2
Net-(L6-Pad1): length 6.8
  Top w0.508: L6.1 66.71,84.37 63.31,87.77 U26.3
Net-(L7-Pad1): length 2.4
  Top w0.13: 35.18,100.55 35.01,100.37
  Top w0.508: U25.3 35.18,100.55
Net-(L8-Pad1): length 6.1
  Top w0.13: U3.45 50.89,104.67 50.24,105.33 49.32,105.33 49.25,105.4 49.25,106.67 49,106.92 L8.1
Net-(L9-Pad1): length 4.1
  Top w0.13: 108.45,98.98 L9.1
  Top w0.254: U18.2 108.45,98.98
Net-(Module1-Pad21): length 28.2
  Top w0.13: v1(113.02,102.62) 113.03,102.61 ; v1(95.13,91.75) 95.1,91.72
  Top w0.147: 95.1,91.72 Module1.21 ; 113.64,102.64 113.67,102.61
  Top w0.305: R93.2 113.05,102.64
  Bottom w0.13: 95.15,91.77 v1(95.13,91.75) ; v1(113.02,102.62) 113.02,102.62
  Bottom w0.147: v1(113.02,102.62) 113.02,102.62 99.06,102.62 95.15,98.7 95.15,91.77
Net-(R3-Pad1): length 3.1
  Top w0.13: 43.77,112.84 43.82,112.78
  Top w0.203: U2.6 43.46,113.93 43.77,113.62 43.77,112.84
Net-(R4-Pad2): length 16.6
  Top w0.25: 42.76,110.75 53.58,110.75 54.06,111.22 R4.2 ; 42.76,110.75 42.76,111.3 43.06,111.6 R5.1 ; 42.76,110.75 42.11,110.75 41.62,111.24 U2.5
Net-(R32-Pad1): length 1.6
  Top w0.102: 2.87,66.16 2.87,66.17 U6.5
  Top w0.203: 2.87,64.57 2.87,66.16
Net-(R38-Pad1): length 8.6
  Top w0.13: R39.1 12.8,40.52 v1(13.08,40.24) U7.12 ; R38.1 16.2,44.61 v1(15.34,44.61)
  Bottom w0.13: v1(13.08,40.24) 13.08,43.78 13.91,44.61 v1(15.34,44.61)
Net-(R41-Pad2): length 1.4
  Top w0.13: R41.2 15.08,29.32 15.08,30.31
Net-(R42-Pad2): length 1.5
  Top w0.13: U7.11 13.58,40.48 R42.2
Net-(R44-Pad2): length 1.8
  Top w0.13: R44.2 20.06,31.73 U7.50
Net-(R51-Pad2): length 3.8
  Top w0.13: U3.23 53.69,96.67 54.05,96.31 55.73,96.31 56.08,95.95 R51.2
Net-(R52-Pad2): length 3
  Top w0.254: U15.3 72.76,18.82 R52.2 71.12,18.82
Net-(R55-Pad2): length 5.9
  Top w0.13: U3.4 46.26,101.45 R55.2
Net-(R58-Pad1): length 1
  Top w0.13: R60.1 R58.1
Net-(R59-Pad1): length 1
  Top w0.152: R61.1 R59.1
Net-(R62-Pad1): length 3.3
  Top w0.13: R62.1 54.24,105.89 54.09,105.74 U3.37
Net-(R66-Pad2): length 11.5
  Top w0.13: 97.94,108.76 SW3.2
  Top w0.305: R66.2 97.94,108.76
  Top w0.508: SW3.2 SW3.1
Net-(R83-Pad1): length 3
  Top w0.13: R83.1 34.48,23.19 34.07,23.6 U11.2
  Top w0.254: R84.2 R83.1
Net-(R85-Pad1): length 2.5
  Top w0.13: U12.24 53.35,26.9 R85.1
Net-(R86-Pad1): length 3.6
  Top w0.13: R86.1 56.16,27.46 55.81,27.11 54.82,27.11 54.35,26.64 U12.22
Net-(R87-Pad1): length 2.2
  Top w0.13: R87.1 50.55,25.78 50.55,25.4 U12.28
Net-(R88-Pad2): length 2.9
  Top w0.13: U12.35 48.89,21.54 48.36,21.01 R88.2
Net-(R89-Pad1): length 2.3
  Top w0.13: R89.1 52.85,27.42 U12.25
Net-(R90-Pad1): length 1.9
  Top w0.127: U14.5 61.87,21.92 61.62,21.67
Net-(R96-Pad2): length 2
  Top w0.13: 111.84,104.42 U19.4
  Top w0.203: 111.84,104.42 113.79,104.42 R96.2
Net-(U5-Pad1): length 0.8
  Top w0.152: U5.10 U5.1
Net-(U5-Pad2): length 0.8
  Top w0.152: U5.9 U5.2
Net-(U10-Pad1): length 4
  Top w0.13: U10.1 90.27,102.65 90.27,102.66
  Top w0.152: 90.13,102.8 90.27,102.66
  Top w0.203: Y2.2 90.13,102.8
Net-(U10-Pad2): length 4.4
  Top w0.203: U10.2 88.5,101.37 87.43,100.3 Y2.1
Net-(U16-Pad1): length 3.7
  Top w0.13: 72.8,102.82 73.36,102.26 U16.1
Net-(U16-Pad2): length 3.7
  Top w0.13: 72.8,100.32 73.46,100.99 U16.2

## Copper pours and planes (outline as drawn; the poured copper is in the pictures)
GND on Top: 120.03,2.94 120,-0.03 3.22,-0.06 3.2,-0.06 -0.04,-0.08 -0.11,120.01 119.98,120.01
GND on Bottom: 120,-0.03 -0.04,-0.08 -0.11,120.01 119.98,120.01
GND on In1.Cu: 120.02,0.04 120.02,0 -0.12,-0.12 0.05,120.01 119.99,120.06
GND on In2.Cu: 120.02,0 -0.12,-0.12 0.05,120.01 119.99,120.06

## Text on the board
B.Silkscreen: TX | RX | GND | TDO | TCK | TDI | TMS | nTRST | SRVANT-mk1 / v0.1dev
